# Altium PCB MEGAphone.PcbDoc (part 4 of 5) (continued)
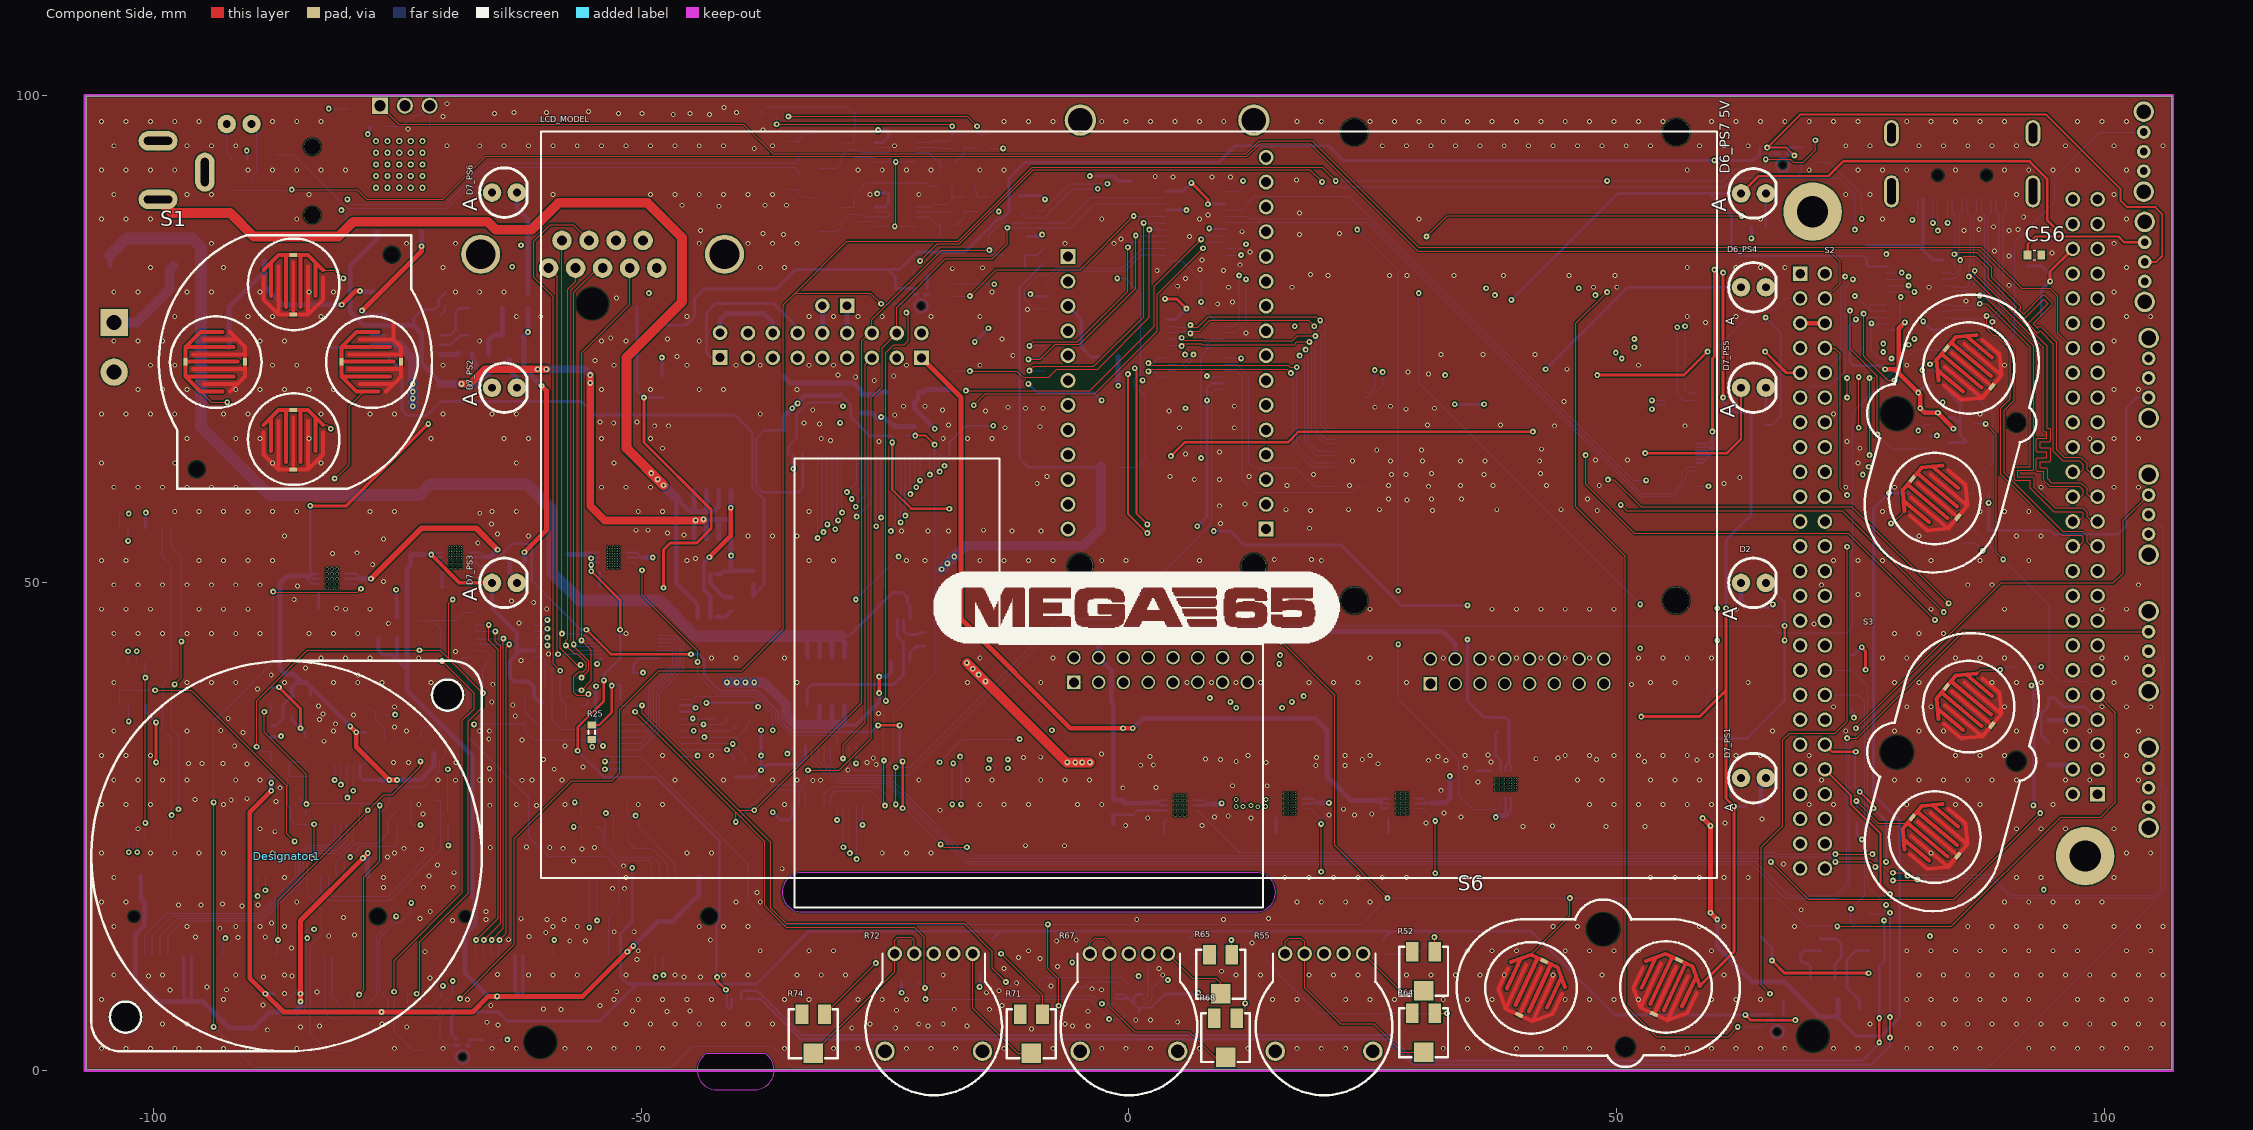
[diagram p0: Component Side view]
## Nets (pads, with @x,y where several pads share a name; then routed paths per layer and width w, separated by ;. In a path a pad name is that pad's centre, name@x,y a point inside that pad or via, vN(x,y) a via of type N, cw(c..) or ccw(c..) an arc to the next point about the centre after c; other vN are vias at no path point) (continued)
NetR28_2: R28.2 S1.3 U12.6 | length 67.2
  Component Side w0.127: v2(-81.4,60.7) -81.3,60.7 -79.9,62.1 -79.9,68.1 -78.383,69.617 -77.9,69.617
  Signal Layer 1 w0.127: v2(-81.4,60.7) -81.4,57.2 -59.047,34.847 v2(-44.6,34.847)
  Bottom Layer w0.127: U12.6@-45.97,34.847 v2(-44.6,34.847) -40.758,34.847 -40.005,35.6 R28.2@-40.005,36.207
NetR29_2: R29.2 S1.4 U12.7 | length 65.9
  Component Side w0.127: -82.595,66.188 -82.188,66.188 v2(-81.8,65.8)
  Signal Layer 1 w0.127: v2(-81.8,65.8) -81.8,60.994 -81.89,60.903 -81.89,57.09 -58.997,34.197 v2(-43.5,34.197)
  Bottom Layer w0.127: U12.7@-45.97,34.197 v2(-43.5,34.197) -40.162,34.197 -38.862,35.497 R29.2@-38.862,36.207
NetR30_2: R30.2 S2.1 U12.8 | length 158
  Component Side w0.127: v2(82.1,72.4) 82.2,72.4 82.671,72.871 82.782,72.871
  Signal Layer 1 w0.127: v2(-40.6,33.5) -39.1,33.5 -38.4,34.2 -17.3,34.2 -13.9,37.6 10.2,37.6 v2(10.4,37.8) ; v2(16.7,37.8) 16.746,37.754 57.754,37.754 64.8,44.8 72.4,44.8 76.4,48.8 76.4,59.9 82.1,65.6 v2(82.1,72.4)
  Signal Layer 2 w0.127: v2(10.4,37.8) v2(16.7,37.8)
  Bottom Layer w0.127: U12.8@-45.97,33.547 -40.647,33.547 v2(-40.6,33.5) -39.301,32.201 R30.2@-39.301,31.623
NetR31_2: R31.2 S2.2 U12.9 | length 141.9
  Component Side w0.127: v2(78.1,56.1) 78.236,56.1 79.487,57.351
  Signal Layer 1 w0.127: v2(-41.197,32.897) -39.203,32.897 -38.2,33.9 -17.1,33.9 -13.8,37.2 v2(11,37.2) ; v2(15.7,37.2) 58.2,37.2 63.4,42.4 72.5,42.4 78.1,48 v2(78.1,56.1)
  Signal Layer 2 w0.127: v2(11,37.2) v2(15.7,37.2)
  Bottom Layer w0.127: U12.9@-45.97,32.897 v2(-41.197,32.897) -40.444,32.144 R31.2@-40.444,31.623
NetR32_2: R32.2 S3.1 U12.13 | length 173.4
  Component Side w0.127: 86.889,40.698 87.291,41.1 v2(89.3,41.1)
  Signal Layer 1 w0.127: v2(-53.7,30.9) -40.1,30.9 -37.854,33.146 -19.646,33.146 v2(-18,31.5) ; v2(-18.1,27.3) -18.1,25.6 -14.7,22.2 61.7,22.2 65.8,18.1 72.8,18.1 76.7,22 76.7,26.6 89.3,39.2 v2(89.3,41.1)
  Bottom Layer w0.127: v2(-53.7,30.9) -53.653,30.947 U12.13@-52.07,30.947 ; v2(-18.1,27.3) -18.1,31.4 v2(-18,31.5) ; v2(89.3,41.1) 89.6,41.4 R32.2@91.25,41.4
NetR33_2: R33.2 S3.2 U12.14 | length 155
  Component Side w0.127: v2(74.55,27.65) 76.815,25.385 79.789,25.385
  Signal Layer 1 w0.127: v2(-53.7,31.7) -39.8,31.7 -38.1,33.4 -18.5,33.4 v2(-17.3,32.2) ; v2(-17.2,27.3) -17.2,26.232 -13.468,22.5 61.9,22.5 65.8,18.6 72.6,18.6 74.55,20.55 v2(74.55,27.65)
  Bottom Layer w0.127: v2(-53.7,31.7) -53.597,31.597 U12.14@-52.07,31.597 ; v2(-17.3,32.2) -17.2,32.1 v2(-17.2,27.3) ; v2(74.55,27.65) 74.6,27.6 R33.2@74.6,26.95
NetR39_1: R39.1 R40.1 U9.8B | length 210.1
  Component Side w0.127: v2(65.7,7.9) 64.8,8.8 64.8,22.9 67,25.1 67,33.9 67.7,34.6 72.4,34.6 73.6,35.8 v2(73.6,53.7) ; U9.8B@71.33,74.072 72.328,74.072 72.9,73.5 72.9,59.7 v2(73.6,59)
  Signal Layer 1 w0.127: v2(-63.7,3.2) -63.7,3.4 -61.7,5.4 -3.8,5.4 -1.976,3.576 62.876,3.576 65.7,6.4 v2(65.7,7.9) ; v2(73.6,53.7) v2(73.6,59)
  Bottom Layer w0.127: R40.1@-64.655,3.196 -64.651,3.2 v2(-63.7,3.2) ; R39.1@65.68,7.112 65.68,7.88 v2(65.7,7.9)
NetR39_2: R39.2 U16.1 | length 1.4
  Bottom Layer w0.254: U16.1@67.065,5.778 67.065,6.997 R39.2@67.18,7.112
NetR40_2: R40.2 U17.1 | length 1.5
  Bottom Layer w0.254: U17.1@-67.651,3.196 R40.2@-66.155,3.196
NetR41_1: R41.1 U9.11B | length 30.7
  Signal Layer 1 w0.127: v2(74.2,81.1) 74.2,84.8 75.1,85.7 v2(75.1,87.3)
  Bottom Layer w0.127: U9.11B@68.79,68.992 69.983,70.185 71.9,70.185 73.4,71.685 73.4,80.3 v2(74.2,81.1) ; R41.1@70.358,93.103 71.797,93.103 75.1,89.8 v2(75.1,87.3)
NetR41_2: R41.2 U16.4 U17.4 U18.4 U19.4 | length 334
  Component Side w0.127: v2(-68.547,7.4) -63,12.947 -63,23.8 -57.1,29.7 -53,29.7 -52.2,30.5 -52.2,37 -48.2,41 -39.7,41 -35.4,45.3 -35.4,78.5 -34.2,79.7 ; v2(-25.4,78.6) -26.5,79.7 -34.2,79.7 ; v2(21.2,91.2) 19.8,92.6 -9.9,92.6 -17.5,85 -28.9,85 -34.2,79.7 ; v2(49,79.8) 45.8,76.6 45.8,57.8 50.886,52.714 50.886,6.7 54.086,3.5 61.4,3.5 v2(62.4,4.5) ; v2(65.266,93.4) 67.8,93.4 68.1,93.1 69.1,93.1 70.4,94.4 70.358,94.442 v2(70.358,95.358)
  Signal Layer 1 w0.127: v2(49,79.8) v2(49,91.2)
  Bottom Layer w0.127: -68.9,2.6 -69.9,2.6 -70.6,3.3 -70.6,5.4 -68.6,7.4 v2(-68.547,7.4) ; v2(-25.4,78.6) -22.9,78.6 -21.9,79.6 ; v2(21.2,91.2) v2(49,91.2) 60.9,91.2 62.1,92.4 64.8,92.4 65.266,92.866 v2(65.266,93.4) 65.885,94.019 U18.4@66.179,94.019 ; v2(62.4,4.5) 64.928,4.5 U16.4@65.609,5.182 ; R41.2@70.358,94.603 v2(70.358,95.358)
NetR42_1: R42.1 R43.1 U9.10B | length 124.6
  Component Side w0.127: v2(-21.407,83) -19.661,84.746 -17.395,84.746 -9.795,92.346 18.554,92.346 v2(19.8,91.1)
  Signal Layer 1 w0.127: v2(73.4,81.4) 73.4,85.2 v2(74.4,86.2)
  Bottom Layer w0.127: R43.1@-22.006,81.567 -22.006,82.401 v2(-21.407,83) ; v2(19.8,91.1) 20.3,90.6 61,90.6 61.9,91.5 68.3,91.5 ; R42.1@69,93.103 68.9,93.003 68.9,92.1 68.3,91.5 ; U9.10B@71.33,71.532 73,73.202 73,81 v2(73.4,81.4) ; v2(74.4,86.2) 74.4,89.8 72.7,91.5 68.3,91.5
NetR42_2: R42.2 U18.1 | length 1.4
  Bottom Layer w0.3: U18.1@67.635,94.615 68.988,94.615 R42.2@69,94.603
NetR43_2: R43.2 U19.1 | length 1.5
  Bottom Layer w0.3: U19.1@-20.664,80.17 -20.664,81.409 R43.2@-20.506,81.567
NetR47_PS4_2: R47_PS4.2 R48_PS4.1 U22_PS4.3 | length 6.6
  Bottom Layer w0.24: R47_PS4.2@-1.6,26.232 0.432,26.232 0.9,26.7 U22_PS4.3@3.835,26.7
  Bottom Layer w0.5: R48_PS4.1@-1.6,25.22 R47_PS4.2@-1.6,26.232
"NetR47_PS7 5V_2": "R47_PS7 5V.2" "R48_PS7 5V.1" "U22_PS7 5V.3" | length 4.3
  Bottom Layer w0.24: 37.601,33.415 37.601,32.299 38.117,31.783 38.117,30.748
  Bottom Layer w0.25: 37.601,33.415 37.601,34.588 37.74,34.727
NetR51_2: R51.2 R52.CW | length 7.4
  Component Side w0.127: v2(31.3,13.7) 31.35,13.65 R52.CW@31.35,12.2
  Bottom Layer w0.127: R51.2@26.1,12 29.6,12 v2(31.3,13.7)
NetR52_W: R52.W R55.1 | length 7.8
  Component Side w0.127: R55.1@24,12 27.8,8.2 R52.W@30.2,8.2
NetR55_2A: R55.2A U24.16 | length 23.4
  Signal Layer 1 w0.127: v2(4,9.3) 19.3,9.3 R55.2A@22,12
  Bottom Layer w0.127: U24.16@1.346,6.866 1.866,6.866 2.4,7.4 2.4,8.5 3.2,9.3 v2(4,9.3)
NetR55_3A: R55.3A R55.3B R64.W | length 23.2
  Component Side w0.127: R55.3A@16,12 16,13.2 16.4,13.6 17.6,13.6 18,13.2 R55.3B@18,12 18,8.5 21.7,4.8 25.1,4.8 28,1.9 R64.W@30.2,1.9
NetR56_2: R56.2 R65.CW | length 6.4
  Component Side w0.127: v2(10.5,13.4) 10.55,13.35 R65.CW@10.55,11.9
  Bottom Layer w0.127: R56.2@6.2,12 9.1,12 v2(10.5,13.4)
NetR61_2: R61.2 U7.5 | length 1.9
  Bottom Layer w0.5: U7.5@-70.582,73.4 -68.835,73.4 R61.2@-68.692,73.543
NetR63_2: R63.2 R77.1 U31.3 | length 3.3
  Bottom Layer w0.2: R77.1@-10.65,82.3 -10.65,83.406 U31.3@-10.45,83.606 -9.394,83.606 R63.2@-8.8,84.2
NetR64_CW: R64.CW R66.1 | length 22.7
  Component Side w0.127: R64.CW@31.35,5.9 v2(32.6,5.9)
  Bottom Layer w0.127: R66.1@14.097,12 14.097,11.203 19.4,5.9 v2(32.6,5.9)
NetR65_W: R65.W R67.1 | length 7.7
  Component Side w0.127: R67.1@4,12 6.5,9.5 8.9,9.5 9.4,9 R65.W@9.4,7.9
NetR67_2A: R67.2A U24.15 | length 5.1
  Bottom Layer w0.127: U24.15@1.346,7.366 1.7,7.366 2,7.666 R67.2A@2,12
NetR67_3A: R67.3A R67.3B R68.W | length 24.1
  Component Side w0.127: R67.3A@-4,12 -4,13.1 -3.5,13.6 -2.5,13.6 -2,13.1 R67.3B@-2,12 -2,6.6 0.6,4 6.2,4 8.8,1.4 R68.W@9.9,1.4
NetR68_CW: R68.CW R69.1 | length 22.2
  Component Side w0.127: R68.CW@11.05,5.4 11.9,6.25 v2(11.9,6.9)
  Signal Layer 1 w0.127: v2(-5.8,11.1) -5,10.3 1.8,10.3 5.2,6.9 v2(11.9,6.9)
  Bottom Layer w0.127: R69.1@-5.842,12 -5.8,11.958 v2(-5.8,11.1)
NetR70_2: R70.2 R71.CW | length 8.8
  Component Side w0.127: v2(-13.1,12) -8.85,7.75 R71.CW@-8.85,5.8
  Bottom Layer w0.127: R70.2@-13.97,12 v2@-13.1,12
NetR71_W: R71.W R72.1 | length 13.5
  Component Side w0.127: R72.1@-16,12 -16,6.4 -11.4,1.8 R71.W@-10,1.8
NetR72_2A: R72.2A U24.13 | length 21.7
  Signal Layer 1 w0.127: R72.2A@-18,12 -18,10.7 -17,9.7 v2(1,9.7)
  Bottom Layer w0.127: U24.13@1,8.712 v2(1,9.7)
NetR72_3A: R72.3A R72.3B R74.W | length 18.7
  Component Side w0.127: R74.W@-32.35,1.8 -24,10.15 R72.3A@-24,12 -24,13.4 -23.7,13.7 -22.3,13.7 -22,13.4 R72.3B@-22,12
NetR74_CW: R74.CW R75.1 | length 8.4
  Component Side w0.127: R74.CW@-31.2,5.8 -31.164,5.8 v2(-25.932,11.032)
  Bottom Layer w0.127: v2(-25.932,11.032) R75.1@-25.932,12
NetR76_2: R76.2 U14.10 U26.31 | length 44.5
  Component Side w0.2: v3(-21.9,65.1) -20.833,65.1 v3(-19.907,64.174)
  Bottom Layer w0.127: U14.10@-28.605,33.278 -28.605,31.355 -28.05,30.8 -25.3,30.8 -24.1,32 -24.1,36.6 -19.907,40.793 U26.31@-19.907,63.118
  Bottom Layer w0.2: R76.2@-22.75,65.1 v3(-21.9,65.1) v3@-21.7,65.1 ; U26.31@-19.907,63.118 v3(-19.907,64.174)
NetRF1_7: RF1.7 U29.P2_4 | length 42.3
  Component Side w0.2: v3(0.6,72) 0.8,71.8 0.8,57.1 v3(1.9,56)
  Signal Layer 1 w0.2: U29.P2_4@-6.25,75.83 -4.73,75.83 -1.5,72.6 0.4,72.6 0.6,72.4 v3(0.6,72) ; v3(1.9,56) 1.8,56 0.9,55.1 0.9,40.88 RF1.7@1.98,39.8
NetRF1_9: RF1.9 U29.P2_5 | length 40.8
  Component Side w0.2: v3(-0.1,71.4) -0.1,57.1 v3(1.9,55.1)
  Signal Layer 1 w0.2: U29.P2_5@-6.25,73.29 -3.59,73.29 -1.7,71.4 v3(-0.1,71.4) ; v3(1.9,55.1) 1.9,45.2 1.8,45.1 3.3,43.6 3.3,41.02 RF1.9@4.52,39.8
  Bottom Layer w0.2: RF1.9@4.2,39.8 RF1.9@4.52,39.8
NetRF2_7: RF2.7 U29.P2_6 | length 70.3
  Signal Layer 1 w0.127: v2(1.4,70.75) 4.85,70.75 10.4,65.2 10.4,47.7 v2(15.5,42.6)
  Signal Layer 2 w0.127: U29.P2_6@-6.25,70.75 -6.2,70.8 -6.15,70.75 v2(1.4,70.75) ; v2(15.5,42.6) 22.577,42.6 27.677,37.5 37.3,37.5 38.52,38.72 RF2.7@38.52,39.66
NetRF2_9: RF2.9 U29.P2_7 | length 72.3
  Signal Layer 1 w0.127: v2(5.8,67.9) 7.1,67.9 9.9,65.1 9.9,47.2 v2(15.4,41.7)
  Signal Layer 2 w0.127: U29.P2_7@-6.25,68.21 5.49,68.21 v2(5.8,67.9) ; v2(15.4,41.7) 22.9,41.7 27.5,37.1 39.4,37.1 41.06,38.76 RF2.9@41.06,39.66
NetS4_1: S4.1 U20.5 | length 38.6
  Signal Layer 2 w0.127: v2(87.5,53.3) 93.9,53.3 94.8,52.4 99.8,52.4 101.7,54.3 101.7,71.8 102.9,73 S4.1@104.5,73
  Bottom Layer w0.127: U20.5@85.425,54.13 86.67,54.13 v2(87.5,53.3)
NetS4_2: S4.2 U23_PS1.12 | length 150.4
  Component Side w0.127: v2(19.7,20.4) v2(19.7,25.3)
  Signal Layer 2 w0.127: v2(19.7,20.4) 20.8,19.3 49.9,19.3 56.1,13.1 96.5,13.1 106.1,22.7 106.1,70.2 105.3,71 S4.2@104.5,71
  Bottom Layer w0.127: U23_PS1.12@17.883,26.892 18.508,26.892 19.7,25.7 v2(19.7,25.3)
NetS5_1: S5.1 U14.4 | length 173.7
  Component Side w0.127: v2(74.5,35.1) 89.4,50 100.9,50 101.9,51 101.9,56.4 S5.1@104.5,59
  Bottom Layer w0.127: U14.4@-32.505,33.278 -32.505,31.805 -30.2,29.5 -24.9,29.5 -16.6,21.2 63.771,21.2 67.271,17.7 72.6,17.7 73.8,18.9 73.8,33.1 74.5,33.8 v2(74.5,35.1)
NetS5_2: S5.2 U23_PS2.12 | length 308.4
  Component Side w0.127: v3(-93.8,4.5) v3(-93.8,27.5) ; v3(-87.7,49.1) -87.663,49.063 -79.037,49.063 v3(-78.7,49.4)
  Bottom Layer w0.127: v3(-93.8,4.5) -89.668,0.368 -46.932,0.368 -44.8,2.5 -36.6,2.5 -34.421,0.321 88.039,0.321 106.308,18.59 106.308,28.91 106.054,29.164 106.054,55.446 S5.2@104.5,57 ; v3(-93.8,27.5) -93.8,35.8 -87.7,41.9 v3(-87.7,49.1) ; U23_PS2.12@-80.261,49.919 -79.219,49.919 v3(-78.7,49.4)
NetS7_1: S7.1 U14.5 | length 163.6
  Component Side w0.127: v2(73.6,34.1) 74.6,34.1 85.5,45 S7.1@104.5,45
  Bottom Layer w0.127: U14.5@-31.855,33.278 -31.855,31.755 -29.854,29.754 -24.754,29.754 -16.454,21.454 64.146,21.454 67.641,17.959 72.409,17.959 73.546,19.096 73.546,34.146 73.592,34.1 v2(73.6,34.1)
NetS7_2: S7.2 U23_PS3.12 | length 224
  Component Side w0.127: v3(-19.3,23.2) -19,22.9 v3(-16.6,22.9) ; v3(72.4,21.4) 76,21.4 v3(76.5,20.9) ; v3(78.3,19.5) 80.7,19.5 v3(80.8,19.6)
  Component Side w0.25: v2(-55.6,45.2) -53.091,42.691 v2(-44.876,42.691) ; v3(-25.7,35.4) v3(-23.5,35.4) ; v3(-23.2,26.9) v3(-23.2,31.7)
  Bottom Layer w0.127: v3(-23.2,26.9) -23,26.9 v3(-19.3,23.2) ; v3(-16.6,22.9) -15.754,22.054 66.146,22.054 66.254,21.946 71.854,21.946 v3(72.4,21.4) ; v3(76.5,20.9) 77.9,19.5 v3(78.3,19.5) ; v3(80.8,19.6) 80.946,19.746 88.354,19.746 90.354,17.746 105.105,17.746 106.054,18.695 106.054,28.805 105.8,29.059 105.8,41.7 S7.2@104.5,43
  Bottom Layer w0.24: U23_PS3.12@-67.6,52.122 -66.922,52.122 -66.5,51.7 -65.5,51.7 -65.168,52.032
  Bottom Layer w0.25: -65.168,52.032 -63.2,54 -61.6,54 -61.202,53.602 -61.202,50.221 -56.181,45.2 v2(-55.6,45.2) ; v2(-44.876,42.691) -44.091,42.691 -43.5,42.1 -43.5,40.531 -41.938,38.97 -38.123,38.97 -35.885,36.731 -35.885,36.08 -34.52,34.716 -26.384,34.716 v3(-25.7,35.4) ; v3(-23.5,35.4) -23.5,32 v3(-23.2,31.7)
NetS9_1: S9.1 U14.6 | length 150.3
  Component Side w0.127: v2(65.8,21.4) 69.6,17.6 84.6,17.6 v2(93.4,26.4)
  Signal Layer 1 w0.127: v2(93.4,26.4) 101.1,26.4 102.4,27.7 102.4,30.2 103.2,31 S9.1@104.5,31
  Bottom Layer w0.127: U14.6@-31.205,33.278 -31.205,31.505 -29.708,30.008 -24.508,30.008 -16.3,21.8 65.4,21.8 v2(65.8,21.4)
NetS9_2: S9.2 U22_PS4.12 | length 114.6
  Component Side w0.127: v3(72.4,22.2) v3(76.2,22.2) ; v3(78.3,20.3) 79.5,20.3 v3(79.8,20)
  Bottom Layer w0.127: U22_PS4.12@6.635,26.7 6.988,26.7 11.288,22.4 66.22,22.4 66.42,22.2 v3(72.4,22.2) ; v3(76.2,22.2) 76.2,22.106 78.006,20.3 v3(78.3,20.3) ; v3(79.8,20) 79.89,20.09 88.41,20.09 90.5,18 105,18 105.8,18.8 105.8,28.7 105.5,29 S9.2@104.5,29
NetS10_1: S10.1 U14.7 | length 184.7
  Bottom Layer w0.127: U14.7@-30.555,33.278 -30.555,31.3 -29.555,30.3 -22.5,30.3 -7.21,45.591 65.909,45.591 66.6,44.9 73.5,44.9 74.2,45.6 74.2,67.5 80.6,73.9 89.2,73.9 90.8,75.5 90.8,84.9 94.9,89 94.9,91.6 99.5,96.2 S10.1@104,96.2
NetS10_2: S10.2 U23_PS6.12 | length 162.8
  Component Side w0.127: v2(31.4,20.25) v2(31.4,25.6)
  Signal Layer 1 w0.127: v2(82.1,13.8) 98.2,13.8 106.2,21.8 106.2,93.3 105.3,94.2 S10.2@104,94.2
  Signal Layer 2 w0.127: v2(31.4,20.25) 49.55,20.25 56,13.8 v2(82.1,13.8)
  Bottom Layer w0.127: U23_PS6.12@29.369,26.897 30.103,26.897 v2(31.4,25.6)
NetU1_M1_11: U1_M1.11 U2_M1.1 | length 5.5
  Bottom Layer w0.127: U1_M1.11@-81.624,11.778 -81.624,7.549 U2_M1.1@-80.75,6.675
NetU1_M1_13: U1_M1.13 U2_M1.3 | length 7.8
  Bottom Layer w0.127: U1_M1.13@-82.424,11.778 -82.424,5.924 -81.875,5.375 U2_M1.3@-80.75,5.375
NetU1_M1_20: U1_M1.20 U14.17 | length 64.8
  Signal Layer 1 w0.127: v2(-88.5,18.5) -88.2,18.2 -45.9,18.2 -38.4,25.7 v2(-29.9,25.7)
  Bottom Layer w0.127: v2(-88.5,18.5) -88.474,18.526 U1_M1.20@-88.474,19.978 ; U14.17@-29.905,27.178 -29.9,27.173 v2(-29.9,25.7)
NetU1_M1_22: U1_M1.22 U14.13 | length 69.2
  Signal Layer 1 w0.127: v2(-89.3,17.9) -45.72,17.9 -38.42,25.2 v2(-27.3,25.2)
  Bottom Layer w0.127: v2(-89.3,17.9) -89.274,17.926 U1_M1.22@-89.274,19.978 ; U14.13@-27.305,27.178 -27.2,27.073 -27.3,26.973 v2(-27.3,25.2)
NetU1_M1_31: U1_M1.31 U14.11 | length 77.2
  Signal Layer 1 w0.127: v2(-92.6,13.6) -92.6,16 -89.3,19.3 -50.2,19.3 -38,31.5 v2(-27.955,31.5)
  Bottom Layer w0.127: U1_M1.31@-92.874,11.778 -92.874,13.326 v2(-92.6,13.6) ; v2(-27.955,31.5) U14.11@-27.955,33.278
NetU1_M1_45: U1_M1.45 U4_M1.3 | length 27.9
  Bottom Layer w0.127: U1_M1.45@-98.474,11.778 -98.474,13.826 -96.9,15.4 -88.8,15.4 -84.6,19.6 -84.6,21.594 -83.894,22.3 -80.8,22.3 -79.457,23.643 U4_M1.3@-79.457,25.269
NetU1_M1_47: U1_M1.47 U4_M1.4 | length 28.1
  Bottom Layer w0.127: U1_M1.47@-99.274,11.778 -99.274,13.8 -97.42,15.654 -88.905,15.654 -84.9,19.659 -84.9,21.653 -83.953,22.6 -81.1,22.6 -80.107,23.593 U4_M1.4@-80.107,25.269
NetU1_M1_49: U1_M1.49 U4_M1.5 | length 28.2
  Bottom Layer w0.127: U1_M1.49@-100.074,11.778 -100.1,11.804 -100.1,13.8 -97.992,15.908 -89.01,15.908 -85.154,19.764 -85.154,21.758 -84.058,22.854 -81.546,22.854 -80.757,23.643 U4_M1.5@-80.757,25.269
NetU1_M1_51: U1_M1.51 U4_M1.6 | length 28.4
  Bottom Layer w0.127: U1_M1.51@-100.874,11.778 -100.874,13.9 -98.612,16.162 -89.138,16.162 -85.408,19.892 -85.408,21.863 -84.163,23.108 -81.992,23.108 -81.407,23.693 U4_M1.6@-81.407,25.269
NetU1_M2_11: U1_M2.11 U2_M2.1 | length 28.6
  Signal Layer 1 w0.127: v2(-70.3,8.7) -48.1,8.7 -47.7,9.1 v2(-47.7,9.8)
  Bottom Layer w0.127: U2_M2.1@-72.05,6.675 -71.325,6.675 -70.354,7.646 -70.354,8.646 v2(-70.3,8.7) ; v2(-47.7,9.8) -47.7,11.754 U1_M2.11@-47.676,11.778
NetU1_M2_13: U1_M2.13 U2_M2.3 | length 28.7
  Signal Layer 1 w0.127: v2(-69.3,9.2) -48.9,9.2 v2(-48.5,9.6)
  Bottom Layer w0.127: U2_M2.3@-72.05,5.375 -71.025,5.375 -70.6,5.8 -70.6,6.6 -69.3,7.9 v2(-69.3,9.2) ; v2(-48.5,9.6) -48.5,11.754 U1_M2.13@-48.476,11.778
NetU1_M2_20: U1_M2.20 U14.16 | length 37.2
  Signal Layer 1 w0.127: v2(-54.5,15.4) -45.5,15.4 -38,22.9 v2(-29.255,22.9)
  Bottom Layer w0.127: U1_M2.20@-54.526,19.978 -54.526,15.426 v2(-54.5,15.4) ; v2(-29.255,22.9) U14.16@-29.255,27.178
NetU1_M2_22: U1_M2.22 U14.15 | length 40
  Signal Layer 1 w0.127: v2(-55.3,14.7) -45.7,14.7 -38.1,22.3 v2(-28.6,22.3)
  Bottom Layer w0.127: U1_M2.22@-55.326,19.978 -55.326,14.726 v2(-55.3,14.7) ; U14.15@-28.605,27.178 -28.6,27.173 v2(-28.6,22.3)
NetU1_M2_31: U1_M2.31 U14.14 | length 42.9
  Signal Layer 1 w0.127: v2(-58.9,13.4) -58.5,13.8 -43.388,13.8 -40.9,16.288 -40.9,18.5 -38,21.4 -28.2,21.4 v2(-27.9,21.7)
  Bottom Layer w0.127: U1_M2.31@-58.926,11.778 -58.926,13.374 v2(-58.9,13.4) ; U14.14@-27.955,27.178 -27.9,27.123 v2(-27.9,21.7)
NetU1_M2_45: U1_M2.45 U4_M2.3 | length 35.9
  Component Side w0.127: v2(-64.5,13.4) -63.8,14.1 -63.8,43.4 v2(-63.5,43.7)
  Bottom Layer w0.127: U4_M2.3@-67.058,43.729 -63.529,43.729 v2(-63.5,43.7) ; U1_M2.45@-64.526,11.778 -64.526,13.374 v2(-64.5,13.4)
NetU1_M2_47: U1_M2.47 U4_M2.4 | length 36
  Component Side w0.127: v2(-65.3,13.4) -64.1,14.6 v2(-64.1,44.3)
  Bottom Layer w0.127: U4_M2.4@-67.058,44.379 -66.979,44.3 v2(-64.1,44.3) ; U1_M2.47@-65.326,11.778 -65.326,13.374 v2(-65.3,13.4)
NetU1_M2_49: U1_M2.49 U4_M2.5 | length 36.3
  Component Side w0.127: v2(-66.1,13.4) -64.4,15.1 -64.4,43.5 -64.929,44.029 v2(-64.929,45.029)
  Bottom Layer w0.127: U4_M2.5@-67.058,45.029 v2(-64.929,45.029) ; U1_M2.49@-66.126,11.778 -66.126,13.374 v2(-66.1,13.4)
NetU1_M2_51: U1_M2.51 U4_M2.6 | length 36.7
  Component Side w0.127: v2(-66.9,13.4) -64.654,15.646 -64.654,43.154 -65.6,44.1 v2(-65.6,45.7)
  Bottom Layer w0.127: U4_M2.6@-67.058,45.679 -67.037,45.7 v2(-65.6,45.7) ; U1_M2.51@-66.926,11.778 -66.926,13.374 v2(-66.9,13.4)
NetU4_M1_11: U4_M1.11 U9.35B | length 155.4
  Signal Layer 2 w0.127: v2(-81.407,29.8) -80.916,30.29 -3.21,30.29 1.9,35.4 59.6,35.4 62.712,38.512 U9.35B@68.79,38.512
  Bottom Layer w0.127: v2(-81.407,29.8) U4_M1.11@-81.407,31.369
NetU4_M1_12: U4_M1.12 U9.38B | length 157.9
  Signal Layer 2 w0.127: v2(-80.757,29.322) -80.724,29.29 -3.49,29.29 1.921,34.7 60.7,34.7 63.2,37.2 70.102,37.2 U9.38B@71.33,35.972
  Bottom Layer w0.127: v2(-80.757,29.322) U4_M1.12@-80.757,31.369
NetU4_M1_13: U4_M1.13 U9.44B | length 159.4
  Signal Layer 2 w0.127: v2(-80.1,28) -3.1,28 1.9,33 65.1,33 67.1,31 67.1,29.9 67.4,29.6 70.082,29.6 U9.44B@71.33,28.352
  Bottom Layer w0.127: U4_M1.13@-80.107,31.369 -80.107,28.007 v2(-80.1,28)
NetU4_M1_14: U4_M1.14 U9.37B | length 154
  Signal Layer 2 w0.127: v2(-79.5,28.7) -3.2,28.7 2,33.9 62.2,33.9 64.272,35.972 U9.37B@68.79,35.972
  Bottom Layer w0.127: v2(-79.5,28.7) -79.457,28.743 U4_M1.14@-79.457,31.369
NetU4_M2_11: U4_M2.11 U9.43B | length 141.7
  Signal Layer 1 w0.127: v2(-12.4,31.9) -4.3,23.8 64.238,23.8 U9.43B@68.79,28.352
  Signal Layer 2 w0.127: v2(-59.6,46.2) -58.9,46.9 -27.4,46.9 v2(-12.4,31.9)
  Bottom Layer w0.127: U4_M2.11@-60.958,45.679 -60.121,45.679 v2(-59.6,46.2)
NetU4_M2_12: U4_M2.12 U9.47B | length 140.1
  Signal Layer 1 w0.127: v2(-12.4,31) -4.672,23.272 U9.47B@68.79,23.272
  Signal Layer 2 w0.127: v2(-59.6,45.3) -58.3,46.6 -28,46.6 v2(-12.4,31)
  Bottom Layer w0.127: U4_M2.12@-60.958,45.029 -59.871,45.029 v2(-59.6,45.3)
NetU4_M2_13: U4_M2.13 U9.39B | length 137.1
  Signal Layer 1 w0.127: v2(-14.3,31.9) -12.768,33.432 U9.39B@68.79,33.432
  Signal Layer 2 w0.127: v2(-59.6,44.4) -57.8,46.2 -28.6,46.2 v2(-14.3,31.9)
  Bottom Layer w0.127: U4_M2.13@-60.958,44.379 -59.621,44.379 v2(-59.6,44.4)
NetU4_M2_14: U4_M2.14 U9.41B | length 138.5
  Signal Layer 1 w0.127: v2(-14.4,31) -12.4,33 66.682,33 U9.41B@68.79,30.892
  Signal Layer 2 w0.127: v2(-59.6,43.6) -58.5,43.6 -56.3,45.8 -29.2,45.8 -14.65,31.25 v2(-14.4,31)
  Bottom Layer w0.127: U4_M2.14@-60.958,43.729 -59.729,43.729 v2(-59.6,43.6)
NetU5_6: U5.6 U9.9B | length 130.9
  Component Side w0.3: v2(48,71.3) 56.9,71.3 v2(59.3,73.7) ; v2(65.2,73.7) 67.368,71.532 U9.9B@68.79,71.532
  Signal Layer 1 w0.3: v2(17,76.3) 18.5,77.8 25.9,77.8 v2(32.4,71.3) ; v2(59.3,73.7) v2(65.2,73.7)
  Signal Layer 2 w0.3: v2(-47.859,73.1) -40.049,80.91 -22.01,80.91 v2(-15.8,74.7) ; v2(-14.4,76.1) -13.4,77.1 16.2,77.1 v2(17,76.3) ; v2(32.4,71.3) v2(48,71.3)
  Bottom Layer w0.3: U5.6@-47.859,71.204 v2(-47.859,73.1) ; v2(-15.8,74.7) v2(-14.4,76.1)
NetU9_7B: U9.7B
NetU9_10A: U9.10A U29.P1_4 | length 94.6
  Component Side w0.127: v2(46.8,63.1) 46.8,60.1 51.8,55.1 73.7,55.1 v2(82.6,46.2)
  Signal Layer 2 w0.127: U29.P1_4@14.07,63.13 46.77,63.13 v2(46.8,63.1) ; v2(82.6,46.2) 87.8,46.2 95.489,38.511 U9.10A@96.73,38.511
NetU9_11A: U9.11A U29.P1_3 | length 93.3
  Component Side w0.127: v2(49.09,60.59) 49.71,60.59 52.5,57.8 74.1,57.8 v2(84,47.9)
  Signal Layer 2 w0.127: U29.P1_3@14.07,60.59 v2(49.09,60.59) ; v2(84,47.9) 89.9,47.9 95.4,42.4 97.921,42.4 U9.11A@99.27,41.051
NetU9_12A: U9.12A U29.P1_2 | length 89.7
  Component Side w0.127: v2(50.4,58) 51,57.4 73.1,57.4 v2(83.5,47)
  Signal Layer 2 w0.127: U29.P1_2@14.07,58.05 50.35,58.05 v2(50.4,58) ; v2(83.5,47) 89.2,47 95.149,41.051 U9.12A@96.73,41.051
NetU9_12B: U9.12B U26.33 | length 94.2
  Signal Layer 2 w0.127: v2(-18.9,62) -11.9,62 -9.4,64.5 60.364,64.5 63.564,67.7 70.038,67.7 U9.12B@71.33,68.992
  Bottom Layer w0.127: U26.33@-18.907,63.118 -18.907,62.007 v2(-18.9,62)
NetU9_13B: U9.13B U26.32 | length 92
  Signal Layer 2 w0.127: v2(-19.4,61.4) -11.5,61.4 -8.7,64.2 61.4,64.2 63.652,66.452 U9.13B@68.79,66.452
  Bottom Layer w0.127: U26.32@-19.407,63.118 -19.407,61.407 v2(-19.4,61.4)
  Bottom Layer w0.2: U26.32@-19.407,63.118 U26.32@-19.38,63.145
NetU9_14B: U9.14B U26.30 | length 96.3
  Signal Layer 2 w0.127: v2(-20.4,61.1) -20.1,60.8 -10.559,60.8 -9.405,61.954 62.054,61.954 65.3,65.2 70.078,65.2 U9.14B@71.33,66.452
  Bottom Layer w0.127: U26.30@-20.407,63.118 -20.407,61.107 v2(-20.4,61.1)
  Bottom Layer w0.2: U26.30@-20.434,63.145 U26.30@-20.407,63.118
NetU9_15B: U9.15B U26.28 | length 94.2
  Signal Layer 2 w0.127: v2(-21.4,60.5) -10.5,60.5 -9.3,61.7 63.3,61.7 65.512,63.912 U9.15B@68.79,63.912
  Bottom Layer w0.127: U26.28@-21.407,63.118 -21.407,60.507 -21.4,60.514 v2(-21.4,60.5)
NetU9_16B: U9.16B U26.27 | length 98.6
  Signal Layer 2 w0.127: v2(-21.8,59.8) -21.354,59.354 62.454,59.354 65.7,62.6 70.018,62.6 U9.16B@71.33,63.912
  Bottom Layer w0.127: U26.27@-21.907,63.118 -21.907,59.907 v2(-21.8,59.8)
NetU9_17B: U9.17B U26.26 | length 96.3
  Signal Layer 2 w0.127: v2(-22.4,59.1) 62.9,59.1 65.172,61.372 U9.17B@68.79,61.372
  Bottom Layer w0.127: U26.26@-22.407,63.118 -22.407,59.007 -22.4,59.014 v2(-22.4,59.1)
NetU9_18B: U9.18B U26.25 | length 102.3
  Signal Layer 2 w0.127: v2(-22.9,56.9) 62.1,56.9 65.2,60 69.958,60 U9.18B@71.33,61.372
  Bottom Layer w0.127: U26.25@-22.907,63.118 -22.907,56.907 v2(-22.9,56.9)
NetU9_19B: U9.19B U26.24 | length 100.2
  Signal Layer 2 w0.127: v2(-23.4,56.2) -8.4,56.2 -8,56.6 63.1,56.6 65.3,58.8 68.758,58.8 U9.19B@68.79,58.832
  Bottom Layer w0.127: U26.24@-23.407,63.118 -23.407,56.207 v2(-23.4,56.2)
NetU9_20B: U9.20B U26.23 | length 106
  Signal Layer 2 w0.127: v2(-24.4,55.3) -23.5,54.4 63.2,54.4 66.4,57.6 70.098,57.6 U9.20B@71.33,58.832
  Bottom Layer w0.127: v2(-24.4,55.3) -23.907,55.793 U26.23@-23.907,63.118
NetU9_21B: U9.21B U26.20 | length 103.6
  Signal Layer 2 w0.127: v2(-25.4,56.7) -25.4,55.2 -24.2,54 64.5,54 66.792,56.292 U9.21B@68.79,56.292
  Bottom Layer w0.127: U26.20@-25.407,63.118 -25.407,56.707 v2(-25.4,56.7)
NetU9_22B: U9.22B U26.19 | length 106.9
  Signal Layer 2 w0.127: v2(-25.9,55.8) -25.9,55.2 -24.3,53.6 66.2,53.6 67.6,55 70.038,55 U9.22B@71.33,56.292
  Bottom Layer w0.127: U26.19@-25.907,63.118 -25.907,55.807 v2(-25.9,55.8)
NetU9_23B: U9.23B U26.18 | length 105.3
  Signal Layer 2 w0.127: v2(-27.9,56.8) -24.4,53.3 68.338,53.3 U9.23B@68.79,53.752
  Bottom Layer w0.127: v2(-27.9,56.8) -26.407,58.293 U26.18@-26.407,63.118
NetU9_24B: U9.24B U26.17 | length 111.4
  Signal Layer 2 w0.127: v2(-28,57.8) -28.39,57.409 -28.39,56.344 -22.746,50.7 -18.582,50.7 -17.79,49.908 18.108,49.908 20.7,52.5 70,52.5 71.252,53.752 U9.24B@71.33,53.752
  Bottom Layer w0.127: v2(-28,57.8) -28,58 -26.907,59.093 U26.17@-26.907,63.118